# Altium PCB 400432.PcbDoc (part 5 of 6)
Units mil, origin at the board's own origin, x right, y up, seen from the top; angles counter-clockwise.
Board outline 5375 x 2500 mil, 4 copper layers (Top Layer, Mid-Layer 1, Mid-Layer 2, Bottom Layer), stack 59.252 mil thick; 366 components, 253 nets, 1494 pads, 1929 vias.
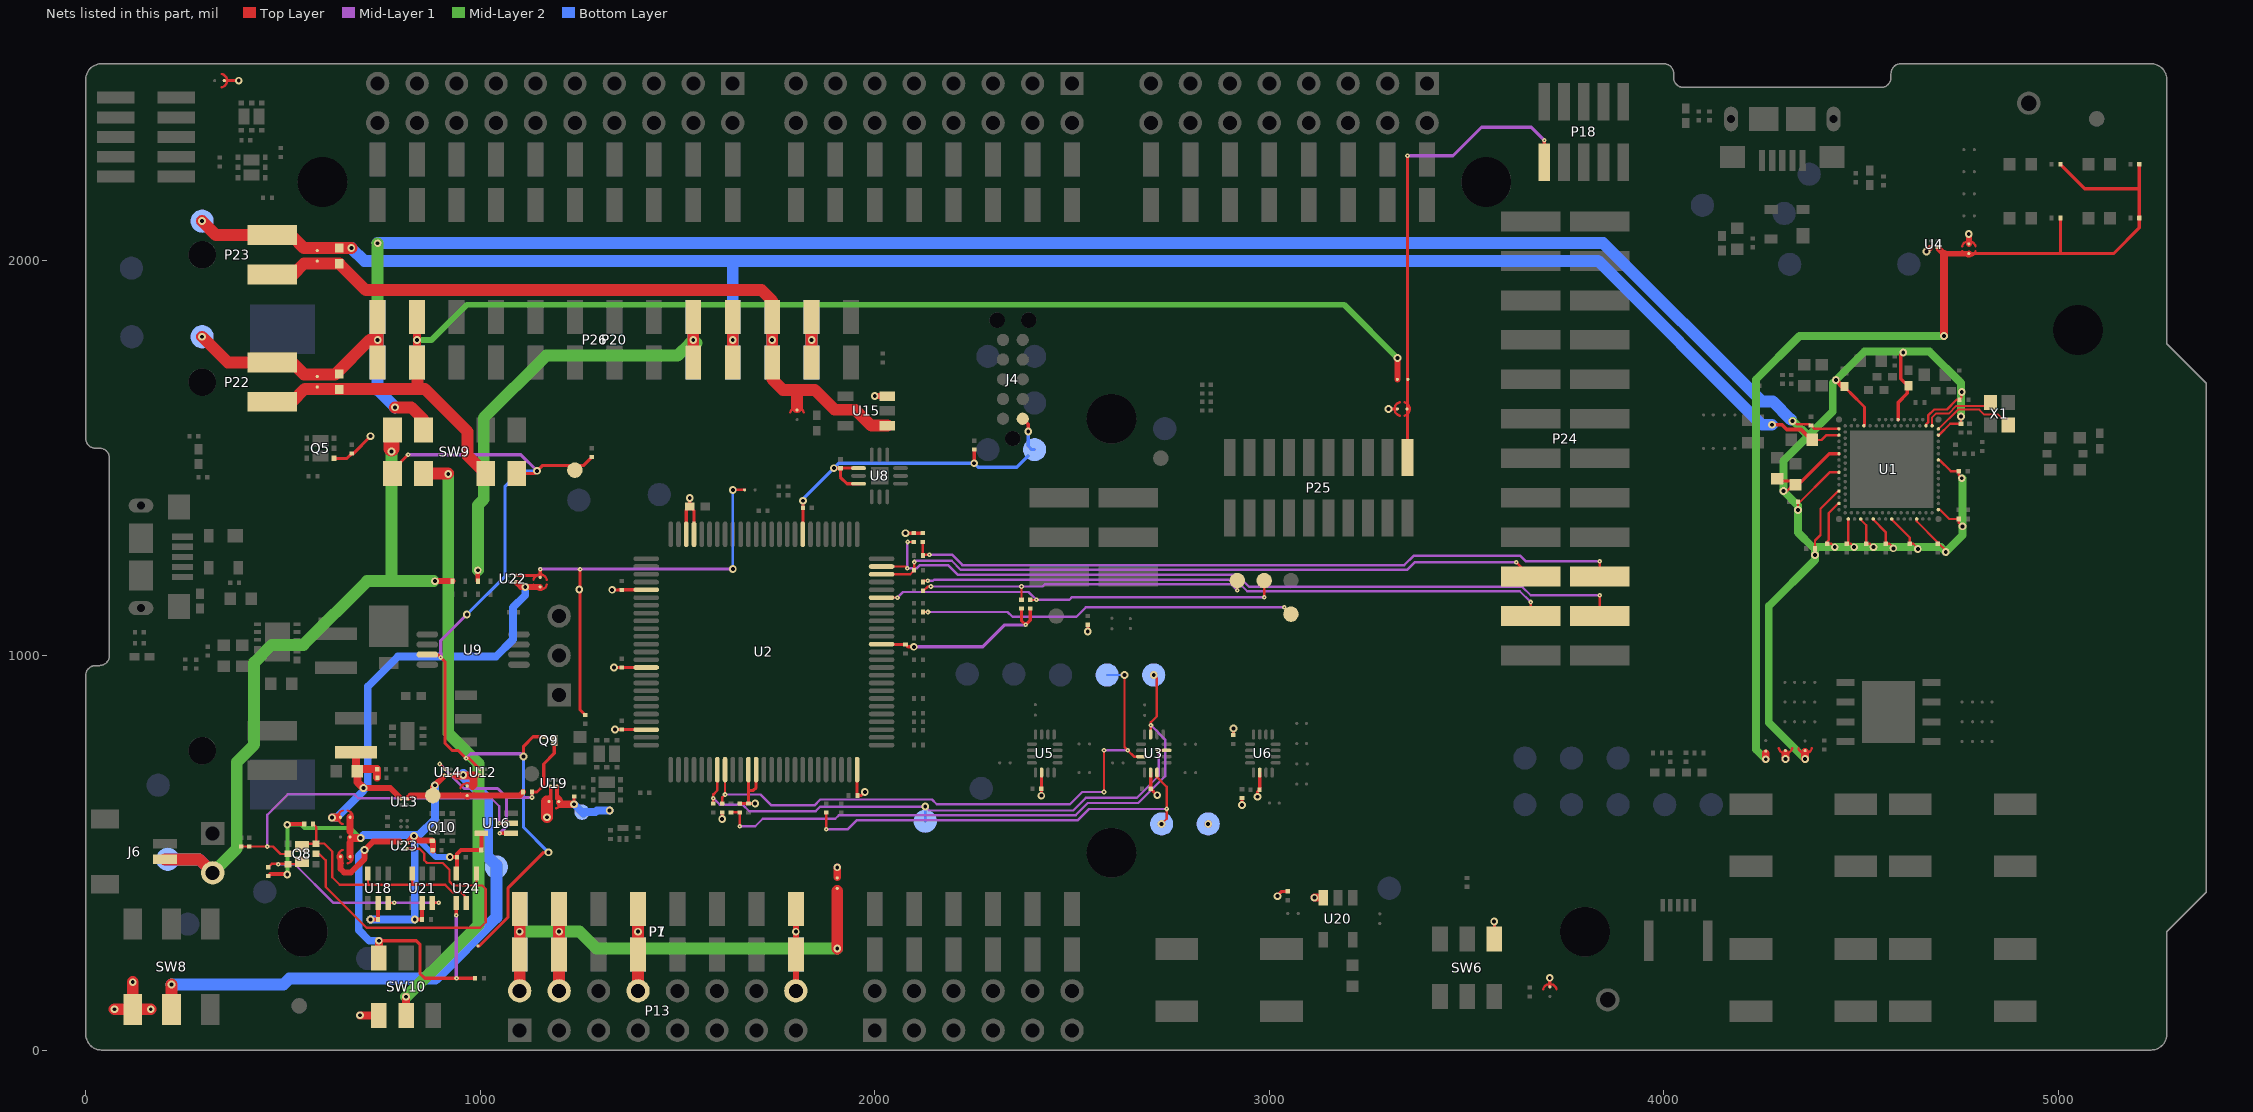
[diagram p7: the nets of this part, all layers, seen from the top]

## Via types
v1: diameter 19.68, hole 9.84, Top Layer to Bottom Layer, tented both sides, 1445 vias
v2: diameter 11.81, hole 3.94, Top Layer to Mid-Layer 1, tented top, 456 vias
v3: diameter 24, hole 12, Top Layer to Bottom Layer, tented both sides, 28 vias

## Nets (pads, with @x,y where several pads share a name; then routed paths per layer and width w, separated by ;. In a path a pad name is that pad's centre, name@x,y a point inside that pad or via, vN(x,y) a via of type N, cw(c..) or ccw(c..) an arc to the next point about the centre after c; other vN are vias at no path point) (continued)
VCOM0_RTS: R30.2 TP50.1 | length 930.8
  Top Layer w6: R30.2@2122.22,1110.16 v2(2134.84,1110.16)
  Mid-Layer 1 w6: v2(2134.84,1110.16) 2336.84,1110.16 2349,1098 2511,1098 2535,1122 v2(3038,1122)
VCOM0_RxD: R32.1 TP52.1 U2.95 | length 1044.4
  Top Layer w5: U2.95@2017.23,1146.8 v2(2057.46,1146.8) ; R32.1@2394,1141.22 v2(2409.78,1141.22)
  Top Layer w6: v2(2987,1148) TP52.1@2987,1190
  Mid-Layer 1 w6: v2(2057.46,1146.8) 2071.67,1161 2390,1161 v2(2409.78,1141.22) 2493.22,1141.22 2500,1148 v2(2987,1148)
VCOM0_TxD: R33.2 R34.1 TP53.1 | length 869.2
  Top Layer w6: R33.2@2122.22,1163.94 2123.94,1163.94 2134.94,1174.94 v2(2142.38,1174.94) ; R34.1@2372,1141.22 v2(2372,1174.94) ; v2(2919,1165) TP53.1@2919,1190
  Mid-Layer 1 w6: v2(2142.38,1174.94) v2(2372,1174.94) 2424.94,1174.94 2431,1181 2903,1181 v2(2919,1165)
VCOM1_CTS: P24.19 R36.1 U2.98 | length 1704.1
  Top Layer w6: U2.98@2017.23,1205.85 2089.91,1205.85 R36.1@2099.78,1215.72 v2(2099.78,1236.78) ; v2(3626,1236) 3626.5,1236 P24.19@3662.5,1200
  Mid-Layer 1 w6: v2(2099.78,1236.78) 2103,1240 2195,1240 2218,1217 3349,1217 3368,1236 v2(3626,1236)
VCOM1_RTS: P24.21 R35.2 | length 1601.5
  Top Layer w6: R35.2@2122.22,1186.33 2125.22,1189.33 v2(2134.38,1189.33) ; P24.21@3662.5,1100 v2(3662.5,1135.5)
  Mid-Layer 1 w6: v2(2134.38,1189.33) 2147.33,1189.33 2150,1192 2915,1192 2944,1163 3635,1163 v2(3662.5,1135.5)
VCOM1_RxD: P24.22 R37.1 U2.99 | length 1991.2
  Top Layer w6: U2.99@2017.23,1225.54 2078.46,1225.54 v2(2082.46,1221.54) ; v2(2083.78,1287.78) R37.1@2099,1287.78 ; P24.22@3837.5,1100 v2(3837.5,1152.5)
  Mid-Layer 1 w6: v2(2083.78,1287.78) 2082.46,1286.46 v2(2082.46,1221.54) 2107,1221.54 2114.46,1229 2186,1229 2210,1205 2918,1205 2949,1174 3641,1174 3662.5,1152.5 v2(3837.5,1152.5)
VCOM1_TxD: P24.20 R38.2 R39.1 | length 1816
  Top Layer w6: R39.1@2122,1287.78 2122,1253.83 R38.2@2122.22,1253.61 2124.22,1255.61 v2(2138.61,1255.61) ; P24.20@3837.5,1200 v2(3837.5,1238.5)
  Mid-Layer 1 w6: v2@2138.61,1253.61 v2@2139,1254 ; v2(2138.61,1255.61) 2195.39,1255.61 2222,1229 3342,1229 3365.5,1252.5 3636.5,1252.5 3650.5,1238.5 v2(3837.5,1238.5)
VCOM2_CTS: R13.1 TP1.1 U2.57 U3.3 | length 1409.1
  Top Layer w6: R13.1@1591,624.83 v2(1591,638) 1591,648 1600.89,657.89 U2.57@1600.89,710.77 ; v2(2718,760) 2739.31,760 U3.3@2739.81,759.5
  Mid-Layer 1 w6: v2(1591,638) 1607,622 1664.94,622 1681.94,605 1850,605 1862,617 v1(2128,617) 2138,607 2503,607 2535,639 2664,639 2720,695 2720,758 v2(2718,760)
  Bottom Layer w6: TP1.1@2128,580 v1(2128,617) v1@2128,623
VCOM2_RTS: R17.2 TP3.1 U3.15 | length 1072.6
  Top Layer w6: v2(1877,560) R17.2@1877,602.39 ; U3.15@2715.21,703.39 2715.21,691.79 2740,667 v2(2740,611) 2740,586 v1(2727,573)
  Mid-Layer 1 w6: v2(1877,560) 1932,560 1954,582 2514,582 2543,611 v2(2740,611)
VCOM2_RxD: R40.1 TP2.1 U2.58 U3.11 | length 1529.4
  Top Layer w6: R40.1@1613.25,624.83 1613.25,640.25 v2(1620.57,647.57) U2.58@1620.57,710.77 ; v2(2581,654) v2(2581,760) ; v1(2632.89,950.56) 2633,950.45 2633,768 v2(2641,760) 2657.25,743.75 U3.11@2674.85,743.75
  Mid-Layer 1 w6: v2(1620.57,647.57) 1710.43,647.57 1738,620 1847,620 1862,635 2145,635 2157,623 2495,623 2526,654 v2(2581,654) ; v2(2581,760) v2(2641,760)
  Bottom Layer w6: TP2.1@2588.89,950.56 v1(2632.89,950.56)
VCOM2_TxD: R14.2 R41.1 TP4.1 U3.7 | length 1492.5
  Top Layer w6: R14.2@1635.5,602.39 R41.1@1657.75,602.39 v2(1657.75,567.25) ; U3.7@2699.46,799.85 2700,800.39 v2(2700,823) 2700,831 2715,846 2715,942 v1@2707,950
  Mid-Layer 1 w6: v2(1657.75,567.25) 1697.25,567.25 1716,586 1900,586 1909,595 2509,595 2540,626 2668,626 2736,694 2736,787 v2(2700,823)
  Bottom Layer w6: TP4.1@2707,950 v1(2707,950.56)
VDBG: P18.1 P25.1 SB59.1 SB60.1 | length 1211.1
  Top Layer w8: P25.1@3350,1501.77 3350.3,1502.07 v2(3350.3,2266.7) ; P18.1@3697,2250.23 v2(3697,2306)
  Mid-Layer 1 w8: v2(3350.3,2266.7) 3465.7,2266.7 3538,2339 3664,2339 v2(3697,2306)
VDD: C41.2 C42.2 C45.2 Q5.4 R47.2 R48.1 R49.1 R51.1 R57.2 SB9.1 SB17.1 SB31.1 SB37.2 SB38.2 SB47.1 SB59.2 SW6.6 SW8.3 SW10.6 TP37.1 U3.14 U4.A2 U5.14 U6.14 U15.3 U19.A2 U20.3 | length 929.1
  Top Layer w7.87: SB47.1@351.3,2457 v1(388,2457) ; Q5.4@632.2,1499.41 661.63,1499.41 R51.1@674,1511.78 677.78,1511.78 v1(722,1556) ; v1(2422.22,644.78) C42.2@2422.22,662 2423.13,662.91 U5.14@2423.13,703.39 ; v1(2540,1061) R57.2@2540,1077.78 ; U3.14@2699.46,703.39 2699.46,662.09 C41.2@2699.55,662 2715.55,646 v1(2716,646) ; R48.1@2909,798.22 v1(2909,815) ; v1(2931,621) R49.1@2931,638.78 ; v1(2969.89,642.11) 2969.89,654.09 2975.79,660 U6.14@2975.79,703.39 ; v1(3302,1625) SB59.2@3324.5,1625 ; v1(3570,326) 3570.47,325.53 SW6.6@3570.47,281.1 ; SB31.1@3711,160.3 v1(3711,183)
  Top Layer w8: v1@3021,392 3031.22,402.22 R47.2@3047,402.22
  Top Layer w10: 1178.78,629.62 U19.A2@1178.78,667.31
  Top Layer w15: v1(2000,1658) 2031.55,1658 U15.3@2032.15,1657.4 ; v1(4666,2024) U4.A2@4674.5,2032.5 ; SB9.1@4773,2043.3 v1(4773,2068.07)
  Top Layer w20: v1(695,88) 695.83,87.17 SW10.6@743.1,87.17 ; SB38.2@1905,438 v1(1905,463) ; v1(3114.15,386.15) U20.3@3136.6,386.15 ; v1(4308.3,737.7) 4308.3,751.83
  Top Layer w30: v1(72.77,103.46) v1(164.77,103.46) ; SW8.3@119.19,100.75 v1(119.19,172.02) ; 1168.48,629.62 1169,629.1 v1(1169,590)
  Bottom Layer w20: v1(2845,573) TP37.1@2845.11,573
  other v1: 3021,390
VDD_HV: C26.1 P20.10 P23.1 P26.10 R67.2 SB41.1 TP25.1 U1.E1 | length 4830.6
  Top Layer w6.22: C26.1@4384.61,1546.15 4400.04,1546.15 ; C26.1@4384.61,1546.15 4383.96,1546.8 C26.1@4384.61,1546.15 ; C26.1@4384.61,1546.15 4400.04,1546.15 ; 4400.04,1546.15 4412.5,1558.61 ; 4400.04,1546.15 4412.5,1558.61 ; 4412.5,1558.61 U1.E1@4444,1558.61 4412.5,1558.61
  Top Layer w9.84: v1(4274,1585) 4299,1585 4311.61,1572.39 4347.61,1572.39 4373.2,1546.8 4383.96,1546.8 C26.1@4382.2,1546.8
  Top Layer w30: v1(295,2101) 330.25,2065.75 P23.1@472.44,2065.75 ; P23.1@464.99,2063 522.99,2063 553.31,2032.68 R67.2@642.99,2032.68 v1(673.31,2032.68) ; P20.10@1640,1742.32 v1(1640,1800) P20.10@1640,1857.68
  Bottom Layer w30: v1(673.31,2032.68) 706,2000 1640,2000 ; P26.10@1640,1742.32 v1(1640,1800) P26.10@1640,1857.68 1640,2000 ; v1(4274,1585) 4248.54,1585 3833.54,2000 1640,2000
VDD_HV': P20.11 P23.2 P26.11 R67.1 SB41.2 SB81.1 U15.1 | length 2026.3
  Top Layer w30: P23.2@464.99,1963 522.99,1963 553.69,1993.7 642.61,1993.7 R67.1@642.99,1993.31 710.31,1926 1713,1926 1740,1899 P20.11@1740,1857.68 v1(1740,1800) P20.11@1740,1742.32 1740,1700 1767,1673 1802,1673 ; 1803,1629.17 1803,1672 1802,1673 ; U15.1@2032.15,1582.6 1991.4,1582.6 1951,1623 1898,1623 1848,1673 1802,1673
  Bottom Layer w30: P26.11@1740,1742.32 v1(1740,1800) P26.11@1740,1857.68
VDD_IMCU: C30.1 C31.2 C32.2 C33.2 C34.1 C35.2 C36.2 C37.2 C38.2 J4.1 R6.2 R10.2 R32.2 R34.2 R37.2 R39.2 R40.2 R41.2 SB37.1 TP20.1 TP35.1 U2.8 U2.22 U2.23 U2.30 U2.40 U2.48 U2.61 U2.62 U2.75 U2.89 U8.4 U8.6 U19.A1 | length 2421.4
  Top Layer w8: v1(1238,623) R10.2@1238,642.78 ; v1(1334.39,1166.39) 1352,1166.39 1352.09,1166.48 U2.30@1420.77,1166.48 ; v1(1339.39,969.39) C37.2@1359,969.39 1420.53,969.39 U2.40@1420.77,969.63 ; v1(1341.39,812.39) C36.2@1359,812.39 1359.24,812.15 U2.48@1420.77,812.15 ; U2.23@1522.15,1307.23 1522.15,1368.44 C31.2@1531.31,1377.61 ; v1(1531,1399) 1531,1377.92 C31.2@1531.31,1377.61 ; U2.22@1541.83,1307.23 1541.83,1367.09 C31.2@1531.31,1377.61 ; v1(1613.25,585.75) R40.2@1613.25,602.39 ; R41.2@1657.75,624.83 C35.2@1680,624.83 ; U2.61@1679.63,710.77 1679.63,658 ; v1(1696.83,624.83) C35.2@1680,624.83 ; U2.62@1699.31,710.77 1699.31,665.09 1692.22,658 1679.63,658 ; U2.8@1817.42,1307.23 1817.78,1307.58 C38.2@1817.78,1374.61 v1(1817.78,1392.22) ; v1(1896.22,1474.78) C30.1@1913,1474.78 ; U2.75@1955.22,710.77 1955.22,646 C34.1@1956.22,645 1965.83,645 v1(1974.83,654) ; U8.6@1960.92,1435.45 1929.55,1435.45 1913,1452 C30.1@1913,1474.78 ; U8.4@1960.92,1474.82 1913.04,1474.82 C30.1@1913,1474.78 ; U2.89@2017.23,1028.68 2018.09,1027.83 C33.2@2078,1027.83 2083.83,1022 v1(2099,1022) ; v1(2078,1310) 2121.78,1310 R39.2@2122,1310.22 ; v1(2252,1487.22) R6.2@2252,1521.78 ; R34.2@2372,1118.78 2372,1088 v2(2382.5,1077.5) ; J4.1@2375,1600 2389,1586 v1(2389,1568) ; v2@2383,1078 2394,1089 R32.2@2394,1118.78 ; 1679.63,658 1679.63,625.2 C35.2@1680,624.83
  Top Layer w10: 1194.78,637.62 1194.78,645.94 U19.A1@1194.78,667.62
  Top Layer w20: SB37.1@1202,627 1204.94,623.76 1205.7,623 v1(1238,623)
  Mid-Layer 1 w8: v1(2099,1022) 2274,1022 2329.5,1077.5 v2(2382.5,1077.5)
  Bottom Layer w8: v1(1817.78,1392.22) 1817.78,1396.34 v1(1896.22,1474.78) 1908.66,1487.22 v1(2252,1487.22) 2262.22,1477 2360.11,1477 TP20.1@2389,1505.89 ; v1(2389,1568) 2389,1531 2398.11,1521.89 TP20.1@2405,1521.89
  Bottom Layer w20: v1(1238,623) TP35.1@1258,603 ; TP35.1@1262,599 TP35.1@1258,603 ; v1(1328,607) 1296,607 1292,603 TP35.1@1258,603
VDD_IMCU_3V: R11.2 SB19.2 SB48.1 U22.A1 | length 1168.3
  Top Layer w6: v1(1640.25,1419.75) SB19.2@1670.23,1419.75
  Top Layer w8: U22.A1@1089.87,1202.87 1143.33,1202.87 ; SB48.1@1152,1198.3 1152,1205.17 v2(1152,1219) ; v2(1253,1219) 1253,862.22 R11.2@1266,849.22
  Mid-Layer 1 w8: v2(1152,1219) v2(1253,1219) v1(1640.25,1219)
  Bottom Layer w6: v1(1640.25,1219) v1(1640.25,1419.75)
  other v1: 1251,1167
VDD_NRF: C3.1 C5.2 C6.1 C13.1 C14.1 C15.1 C16.1 C17.1 C18.1 C19.1 C20.1 C21.1 C22.1 C23.1 C24.1 C25.1 L5.1 P20.1 P22.1 P26.1 R64.2 SB18.1 SB40.1 SW9.6 TP24.1 U1.A19 U1.AC1 U1.AG1 U1.AJ31 U1.AL3 U1.AL7 U1.AL11 U1.AL17 U1.AL25 U1.B8 U1.B28 U1.C1 U1.E31 U1.L1 U1.N31 U1.U1 | length 10225
  Top Layer w4.92: U1.AL7@4499.12,1345.06 U1.AL7@4499.12,1346.02 ; U1.AL11@4530.61,1345.06 U1.AL11@4530.61,1346.02
  Top Layer w4.94: U1.AL17@4577.86,1345.05 U1.AL17@4577.86,1346.02
  Top Layer w5.91: v1(4326,1594) 4328.89,1594 4336.89,1586 4370,1586 4381.64,1574.36 4400.69,1574.36 U1.C1@4444,1574.36 ; v1@4340.26,1366.35 C14.1@4340.26,1386.03 ; C14.1@4342.03,1386.03 4420.13,1464.13 U1.U1@4444,1464.13 ; v1@4382.26,1251.26 4383.37,1252.37 C15.1@4383.37,1271.21 4383.37,1291.31 4397.25,1305.19 ; 4390.46,1298.4 4397.25,1305.19 ; U1.AL3@4467.62,1346.02 4467.62,1330.27 C17.1@4467.62,1283.42 ; U1.AL25@4640.85,1346.02 4640.85,1340.26 ; v1@4642.82,1271.61 v1@4642.82,1272.19 ; U1.B28@4664.47,1582.24 U1.B28@4664.47,1585.19 ; C21.1@4694,1283.42 C21.1@4694,1287.11 ; v1(4714.67,1262.35) v1@4714.67,1267.28 ; v1(4753.06,1605.86) C24.1@4753.06,1587.55 ; v1@4754.04,1667.87 C25.1@4754.04,1652.51 ; 4397.25,1305.19 4397.25,1371.78 ; 4397.25,1371.78 U1.AC1@4442.35,1416.88 ; 4397.25,1371.78 U1.AC1@4442.35,1416.88 ; C16.1@4414.47,1283.42 4414.47,1289.11 ; C16.1@4414.47,1283.42 4424.32,1283.42 ; C16.1@4414.47,1283.42 4424.32,1283.42 ; 4414.47,1289.11 4417.92,1292.55 ; 4414.47,1289.11 4417.92,1292.55 ; 4417.92,1292.55 4417.92,1361.39 ; 4417.92,1361.39 U1.AG1@4441.91,1385.39 ; 4417.92,1361.39 U1.AG1@4441.91,1385.39 ; 4424.32,1283.42 v1(4433.17,1274.56) 4424.32,1283.42 ; U1.AG1@4441.91,1385.39 U1.AG1@4444,1385.39 U1.AG1@4441.91,1385.39 ; U1.AC1@4442.35,1416.88 U1.AC1@4444,1416.88 U1.AC1@4442.35,1416.88 ; C17.1@4467.62,1283.42 4473.53,1283.42 ; C17.1@4467.62,1283.42 C17.1@4463.69,1283.42 C17.1@4467.62,1283.42 ; C17.1@4467.62,1283.42 4473.53,1283.42 ; 4473.53,1283.42 v1(4482.39,1274.56) 4473.53,1283.42 ; C18.1@4512.9,1283.42 4512.9,1330.27 ; C18.1@4512.9,1283.42 4522.74,1283.42 ; C18.1@4512.9,1283.42 4522.74,1283.42 ; 4512.9,1330.27 4499.12,1344.05 4512.9,1330.27 ; 4522.74,1283.42 v1(4531.6,1274.56) 4522.74,1283.42 ; C19.1@4562.11,1283.42 4562.11,1312.87 ; C19.1@4562.11,1283.42 4571.95,1283.42 ; C19.1@4562.11,1283.42 4571.95,1283.42 ; 4562.11,1312.87 4530.61,1344.36 4562.11,1312.87 ; 4571.95,1283.42 4580.81,1274.56 4571.95,1283.42 ; C20.1@4623.14,1283.42 4623.14,1299.09 ; C20.1@4623.14,1283.42 C20.1@4623.53,1283.02 ; C20.1@4623.14,1283.42 C20.1@4623.53,1283.02 ; 4623.14,1299.09 4577.86,1344.36 4623.14,1299.09 ; C20.1@4623.53,1283.02 4631.99,1283.02 ; C20.1@4623.53,1283.02 4631.99,1283.02 ; 4631.99,1283.02 v1@4642.82,1272.19 ; 4631.99,1283.02 v1@4642.82,1272.2 ; 4640.85,1340.26 C21.1@4694,1287.11 ; 4640.85,1340.26 C21.1@4694,1287.11 ; U1.B28@4664.47,1585.19 4669.89,1590.6 ; U1.B28@4664.47,1585.19 4669.89,1590.6 ; 4669.89,1590.6 4669.89,1608.09 ; 4669.89,1608.09 4685.37,1623.57 ; 4669.89,1608.09 4685.37,1623.57 ; 4685.37,1623.57 4717.6,1623.57 ; 4685.37,1623.57 4717.6,1623.57 ; C21.1@4697.54,1283.42 4693.02,1283.42 C21.1@4697.54,1283.42 ; C21.1@4697.54,1283.42 4713.68,1267.28 C21.1@4697.54,1283.42 ; U1.E31@4697.62,1558.61 4726.16,1587.16 ; U1.E31@4697.62,1558.61 U1.E31@4695.97,1558.61 U1.E31@4697.62,1558.61 ; U1.E31@4697.62,1558.61 4726.16,1587.16 ; U1.N31@4699.01,1495.62 4727.55,1467.08 ; U1.N31@4699.01,1495.62 4695.97,1495.62 U1.N31@4699.01,1495.62 ; U1.N31@4699.01,1495.62 4727.55,1467.08 ; U1.AJ31@4699.76,1369.64 4723.38,1346.01 ; U1.AJ31@4699.76,1369.64 U1.AJ31@4695.97,1369.64 U1.AJ31@4699.76,1369.64 ; U1.AJ31@4699.76,1369.64 4723.38,1346.01 ; 4717.6,1623.57 4742.21,1648.18 ; 4717.6,1623.57 4742.21,1648.18 ; 4723.38,1346.01 C22.1@4747.78,1346 ; 4723.38,1346.01 C22.1@4747.78,1346 ; 4726.16,1587.16 C24.1@4752.66,1587.16 ; 4726.16,1587.16 C24.1@4752.66,1587.16 ; 4727.55,1467.08 C23.1@4747.74,1467.08 ; 4727.55,1467.08 C23.1@4747.74,1467.08 ; 4742.21,1648.18 C25.1@4749.71,1648.18 ; 4742.21,1648.18 C25.1@4749.71,1648.18 ; 4747.74,1336.57 C22.1@4747.78,1346 ; 4747.74,1336.57 v1(4756.99,1327.31) 4747.74,1336.57 ; 4747.74,1457.63 C23.1@4747.74,1467.08 ; 4747.74,1457.63 4756.01,1449.36 4747.74,1457.63 ; C25.1@4749.71,1648.18 C25.1@4754.04,1652.51 ; C25.1@4749.71,1648.18 C25.1@4754.04,1652.51 ; C24.1@4752.66,1587.16 C24.1@4753.06,1587.55 ; C24.1@4752.66,1587.16 C24.1@4753.06,1587.55
  Top Layer w7.36: C5.2@4461.72,1683.81 4461.72,1677.03 4508.69,1630.06 ; 4472.54,1666.21 4508.69,1630.06 ; U1.B8@4508.69,1583.93 U1.B8@4506.99,1582.24 U1.B8@4508.69,1583.93 ; U1.B8@4508.69,1583.93 4508.69,1630.06
  Top Layer w7.87: L5.1@4278.65,1442.47 C6.1@4333.76,1442.47 ; v1(4303.25,1416.88) v1@4312.1,1416.88 ; v1@4305,1417 4305.12,1416.88 v1@4312.1,1416.88 ; U1.L1@4440.96,1511.37 U1.L1@4444,1511.37 4419.37,1511.37 4340.63,1432.63 C6.1@4333.76,1432.63 ; v1@4312.1,1416.88 C6.1@4327.85,1432.63 ; v1@4312.1,1416.88 C6.1@4327.85,1432.63 ; C6.1@4327.85,1432.63 C6.1@4333.76,1432.63 ; C6.1@4327.85,1432.63 C6.1@4333.76,1432.63
  Top Layer w8.86: U1.A19@4593.61,1597.98 4593.61,1641.09 ; v1@4605.68,1770 v1@4607,1770 ; v1(4606.89,1768.26) 4600.99,1762.35 4600.99,1701.82 C3.1@4620.18,1682.63 ; C3.1@4617.23,1682.63 4617.23,1664.72 ; 4593.61,1641.09 4617.23,1664.72 ; 4593.61,1641.09 4617.23,1664.72
  Top Layer w9.84: C5.2@4456.3,1684.3 C5.2@4456.79,1683.81
  Top Layer w11.81: C5.2@4460.73,1683.81 C5.2@4461.22,1683.32
  Top Layer w12: v1@4439,1700 4439,1695 4452.35,1681.65 C5.2@4457.78,1681.65
  Top Layer w20: v1(4358.3,737.7) 4358.3,751.83 SB18.1@4358.3,755
  Top Layer w30: v1(295,1808) 360.09,1742.91 P22.1@472.44,1742.91 522.99,1742.91 553.69,1712.21 632.21,1712.21 720,1800 v1(740,1800) ; P20.1@740,1742.32 v1(740,1800) ; P20.1@740,1857.68 v1(740,1800) ; v1(784,1629) 825,1629 856.26,1597.74 SW9.6@856.26,1571.12
  Mid-Layer 2 w20: v1@4303.25,1417 4303.25,1493.65 4367.23,1557.63 ; v1@4304.07,1416.07 4340.32,1379.81 4340.32,1369.35 4340.32,1311.9 4377.66,1274.56 4382.98,1274.56 ; v1(4326,1594) 4328.89,1594 4365.26,1557.63 4367.23,1557.63 ; v1(4358.3,737.7) 4266,830 4266,1125 4382.98,1241.98 4382.98,1274.56 ; v1(4753.06,1605.86) 4753.06,1690.5 4673.33,1770.23 4508.23,1770.23 v1(4436,1698) 4428.25,1690.25 4428.25,1618.65 4367.23,1557.63 ; v1@4756.01,1449.36 4756.99,1448.38 v1(4756.99,1327.31) 4756.99,1304.68 v1(4714.67,1262.35) 4702.46,1274.56 4382.98,1274.56
  Mid-Layer 2 w30: v1(740,1800) v1(740,2045)
  Bottom Layer w30: P26.1@740,1857.68 v1(740,1800) P26.1@740,1742.32 740,1673 v1(784,1629) ; v1@740,2045.5 3846.5,2045.5 4248,1644 4276,1644 v1@4322,1598
  other v1: 4382.98,1254.56 4643.8,1269.64 4581.8,1271.61 4340.32,1369 4755.01,1449.36 4755.02,1667.87
VDD_NRF': P20.2 P22.2 P26.2 R64.1 SB40.2 SB60.2 SW9.3 | length 3615.9
  Top Layer w15: SB60.2@3324.7,1700 v1(3324.7,1754)
  Top Layer w20: P20.2@840,1742.32 v1(840,1800) P20.2@840,1857.68
  Top Layer w30: P22.2@464.99,1642.91 P22.2@472.44,1642.91 522.99,1642.91 555.69,1675.61 841,1675.61 ; P20.2@840,1742.32 841,1741.32 841,1675.61 ; SW9.3@1013.74,1460.88 968,1506.62 968,1567 859.39,1675.61 841,1675.61
  Mid-Layer 2 w15: v1(840,1800) 877,1800 966,1889 3189.7,1889 v1(3324.7,1754)
  Bottom Layer w20: P26.2@840,1742.32 v1(840,1800) P26.2@840,1857.68
VDD_NRF_SENSE: Q9.1 R70.1 SB58.1 SW9.1 SW9.4 TP33.1 U9.3 U12.B2 | length 2414.9
  Top Layer w8: SW9.1@777.52,1460.88 777.52,1469.52 v2(817,1509) ; U9.3@865.86,1002.2 892.8,1002.2 v2(900,995) 910.57,984.43 910.57,777.43 928.77,759.23 944.38,759.23 v2(964,739.61) 971.39,739.61 U12.B2@999.13,711.87 ; SB58.1@994.3,264 998.25,264 1070.02,335.76 1070.02,409.76 1161.25,501 v1(1173,501) ; SW9.4@1092.48,1460.88 1136.88,1460.88 v1(1144,1468) 1158,1482 1262.22,1482 1281.09,1500.87 1281.09,1501.46 1282.41,1502.78 R70.1@1283,1502.78 ; v1(1110,744) 1110,770 1133.86,793.86 Q9.1@1160.22,793.86
  Mid-Layer 1 w8: v2(817,1509) 1103,1509 v1(1144,1468) ; v2(900,995) 900,1038 v1(966,1104) ; v2(964,739.61) 975.39,751 1103,751 v1(1110,744)
  Bottom Layer w8: v1(966,1104) 1063,1201 1063,1429 1102,1468 v1(1144,1468) ; v1(1110,744) 1110,564 v1@1170,504
VDD_PER: R2.2 R3.2 R4.2 R5.2 SB9.2 SB16.1 U4.A1 | length 2736.1
  Top Layer w8: SB9.2@4773,2018.7 4786.9,2018.7 5005,2018.7 ; R4.2@5005.06,2108.73 5005.06,2018.76 5005,2018.7 ; R2.2@5005.06,2244.73 5066.79,2183 5205,2183 5205.06,2182.94 ; R3.2@5205.06,2244.73 5205.06,2182.94 ; 5005,2018.7 5139.7,2018.7 5205.06,2084.06 R5.2@5205.06,2108.73 5205.06,2182.94
  Top Layer w15: U4.A1@4695.5,2032.5 4709.8,2018.2 4759.5,2018.2 4772.5,2018.2 SB9.2@4773,2018.7 ; v1@4709.8,1810.2 v1(4710,1810)
  Top Layer w20: v1(4258.3,737) 4258.3,751.13 ; v1@4709.8,1810.2 4709.8,2018.2
  Mid-Layer 2 w20: v1(4258.3,737) 4234,761.3 4234,1700 4344,1810 v1(4710,1810)
VEXT: R73.1 SB36.2 SW10.3 U23.A1 U24.1 | length 1076.9
  Top Layer w8: v1(743,277) 838,277 847,268 847,194 859,182 v2(940,182) R73.1@986.78,182 ; SW10.3@743.1,232.83 SW10.3@743.1,246.1 ; v2(939.41,341.59) U24.1@939.41,372.6
  Top Layer w15: SB36.2@645.8,490 645.8,476.1 645.8,459.2 655,450 672,450 707,485 v1(707,507) 728.5,528.5 U23.A1@796.5,528.5
  Top Layer w20: v1(743,277) 743,232.94 SW10.3@743.1,232.83
  Mid-Layer 1 w8: v2(939.41,341.59) 939.41,182.59 v2(940,182)
  Bottom Layer w20: v1(707,507) 692,492 692,304 719,277 v1(743,277)
VEXT_EN: Q8.5 U23.B2 U24.4 | length 934.8
  Top Layer w6: Q8.5@585.2,497 592,497 608,481 608,414 712,310 1000,310 1014,324 1014,408 1005,417 991,417 ; U23.B2@814.87,510.13 845.87,510.13 858,498 858,480.98 865,473.98 905.02,473.98 922,457 922,427 932,417 991,417 ; U24.4@990.59,447.4 990.59,417.41 991,417
VEXT_EN_INV: Q8.3 R74.2 U18.6 U21.6 | length 573.6
  Top Layer w6: R74.2@463,463.22 463.59,463.22 465.91,465.54 465.91,466.13 471.46,471.69 510.32,471.69 Q8.3@510.6,471.41 ; Q8.3@510.8,471.41 541.11,471.41 Q8.3@548,478.3 ; Q8.3@549.41,471.41 Q8.3@551,473 ; U18.6@766.59,372.6 781.6,372.6 v2(782,373) ; U21.6@878.59,372.6 878.99,373 v2(895,373)
  Mid-Layer 1 w6: v2(488,471) 530,471 628,373 v2(782,373) v2(895,373)
VIN: P1.8 P7.8 P13.16 | length 323
  Top Layer w15: P13.16@1800,150 P1.8@1800,242.32 v1(1800,300) P1.8@1800,357.68
  Bottom Layer w15: P7.8@1800,242.32 v1(1800,300) P7.8@1800,357.68
VIN3-5V: D7.2 P20.9 P26.9 | length 1268.2
  Top Layer w12: D7.2@994,1188.41 v1(994,1216)
  Top Layer w30: P20.9@1540,1742.32 v1(1540,1800) P20.9@1540,1857.68
  Mid-Layer 2 w30: v1(994,1216) 994,1381 1009,1396 1009,1602 1167,1760 1500,1760 1532,1792 1548,1792
  Bottom Layer w30: P26.9@1540,1742.32 v1(1540,1800) P26.9@1540,1857.68
VIO: P1.1 P1.2 P1.4 P7.1 P7.2 P7.4 P13.2 P13.4 P13.8 SB38.1 | length 1980.9
  Top Layer w30: P13.2@1100,150 P1.1@1100,242.32 P1.1@1100,357.68 ; P13.4@1200,150 v1(1200,300) P1.2@1200,357.68 ; P13.8@1400,150 P1.4@1400,242.32 P1.4@1400,357.68 ; v1(1905,257) 1905,403
  Mid-Layer 2 w30: v1(1100,300) v1(1200,300) 1252,300 1295,257 1400,257 ; v1(1400,300) 1400,257 ; v1(1905,257) 1400,257
  Bottom Layer w30: P7.1@1100,242.32 P7.1@1100,357.68 ; P7.2@1200,242.32 P7.2@1200,357.68 ; P7.4@1400,242.32 P7.4@1400,357.68
VIO_REF: P20.12 P26.12 | length 230.7
  Top Layer w30: P20.12@1840,1742.32 P20.12@1840,1857.68
  Bottom Layer w30: P26.12@1840,1742.32 v1(1840,1800) P26.12@1840,1857.68